# KiCad board ThunderKillV1.kicad_pcb
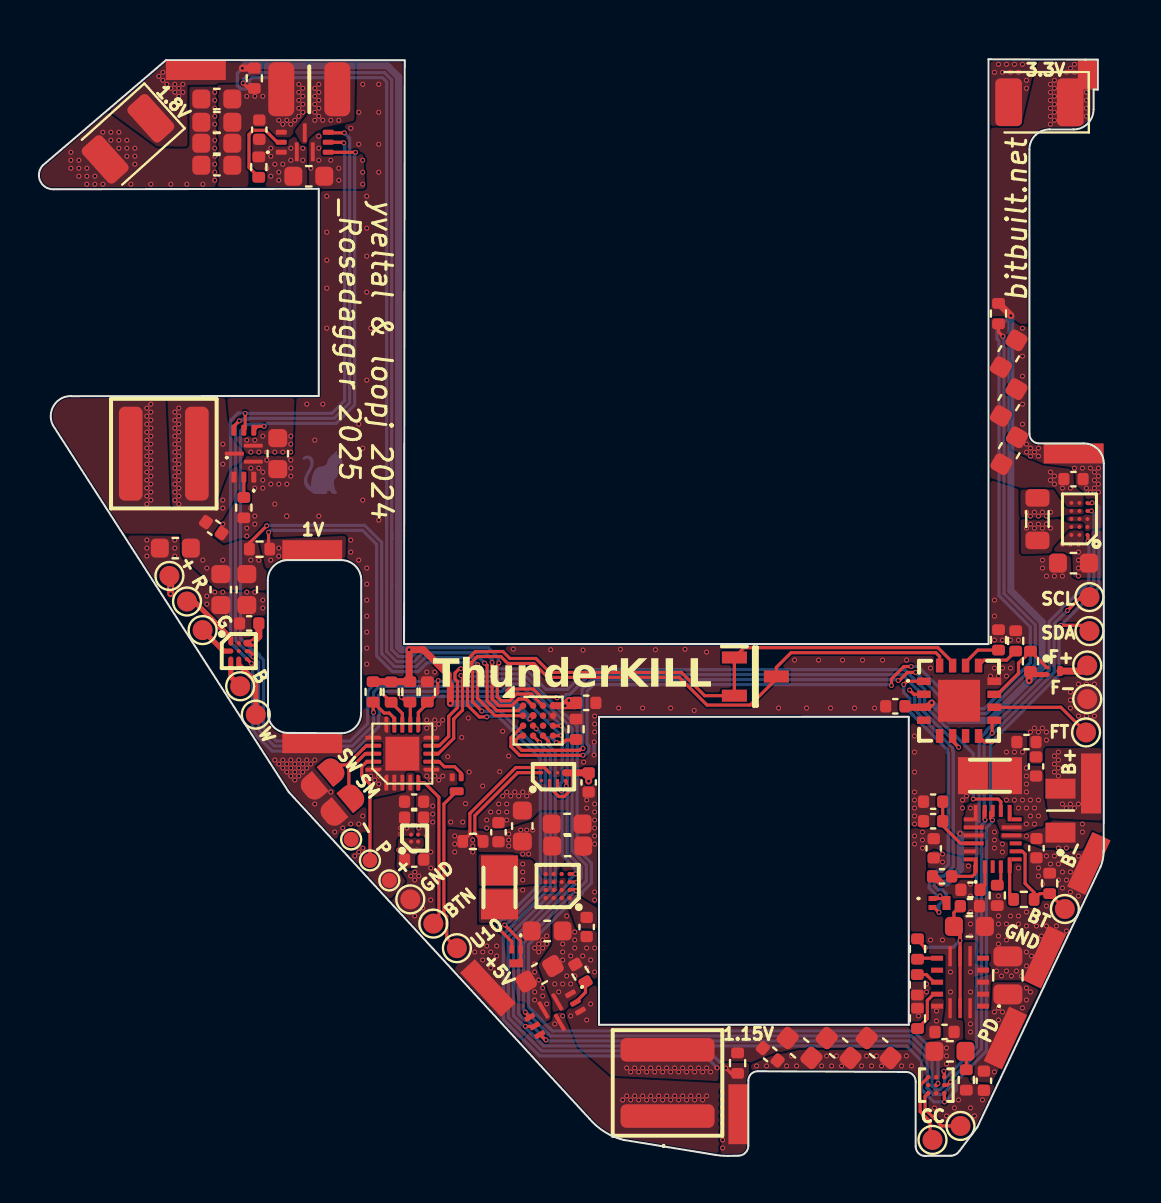
[diagram p0: board, top side]
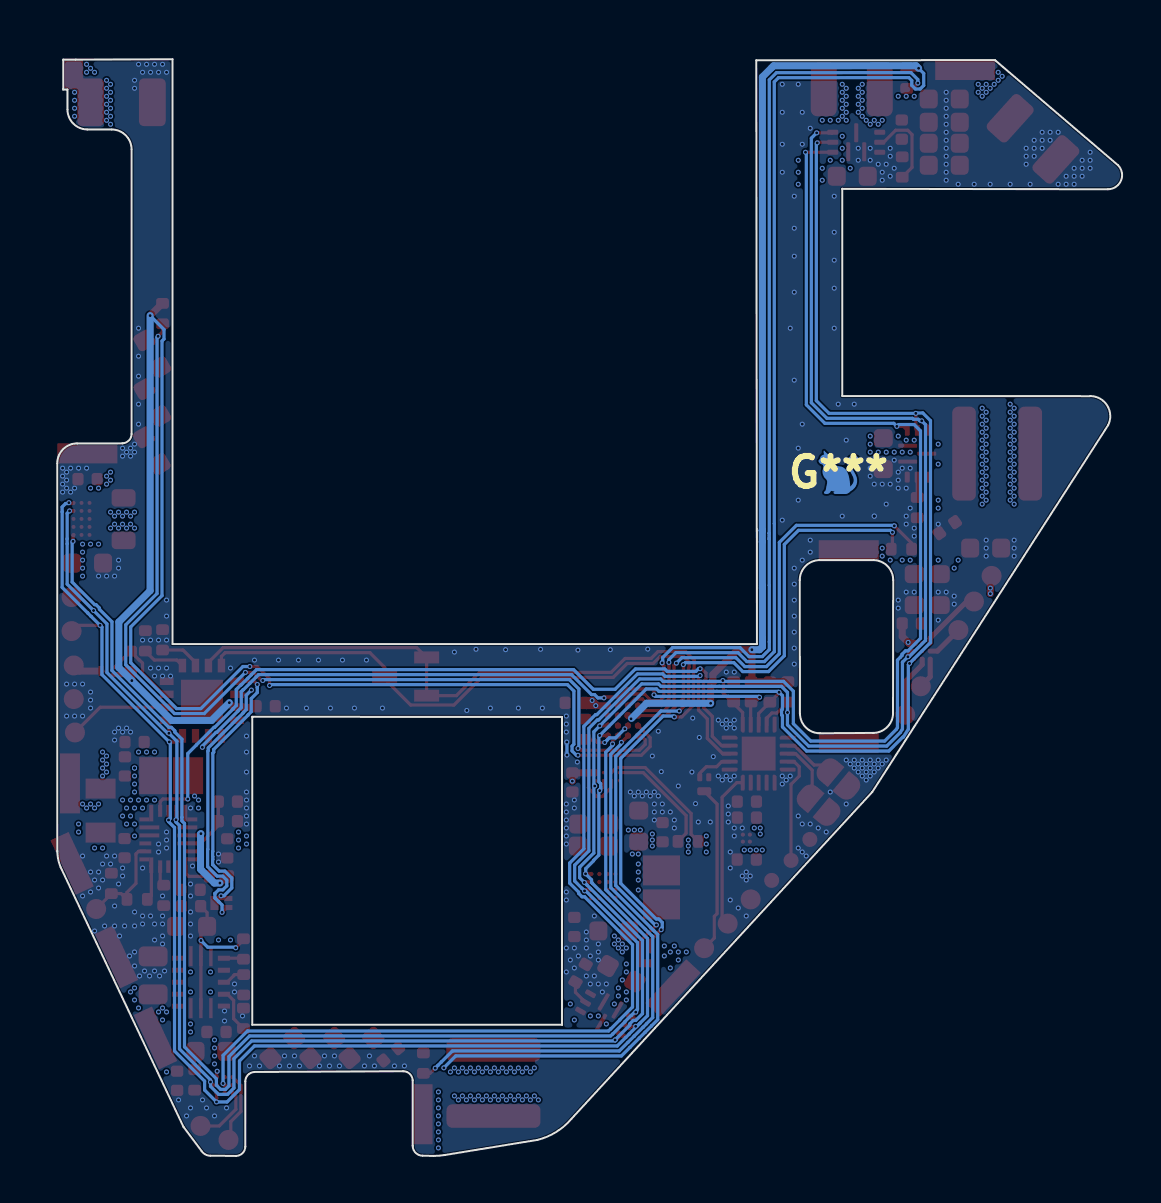
[diagram p1: board, bottom side, seen from below]

Outline 53.21 x 54.85 mm; copper layers: Top, In1.Cu, In2.Cu, Bottom. Coordinates in mm from the lower left corner of the outline.
Outline path: 1.54,38.01 arc(0.69,37.53) 0.64,36.55 12.44,18.2 27.49,1.85 arc(28.26,1.19) 29.19,0.8 ; 13.94,48.37 0.65,48.35 arc(0,48.79) 0.15,49.56 6.3,54.81 18.24,54.8 18.21,25.6 47.44,25.6 47.44,54.85 52.28,54.83 52.91,54.83 52.91,53.33 52.7,53.33 52.7,52.34 arc(52.41,51.63) 51.7,51.34 50.49,51.34 arc(49.78,51.05) 49.49,50.34 49.49,36.11 arc(49.63,35.79) 49.95,35.64 ; 1.54,38 13.94,38.01 13.94,48.38 ; 11.39,28.8 arc(11.68,29.5) 12.37,29.8 15.07,29.8 arc(15.78,29.51) 16.07,28.8 16.06,22.14 ; 11.39,28.8 11.4,22.15 ; 12.4,21.16 arc(11.69,21.45) 11.4,22.16 ; 12.39,21.16 15.06,21.14 arc(15.77,21.43) 16.06,22.14 ; 29.19,0.8 33.79,0.05 ; 33.8,0.05 arc(34.1,0.01) 34.39,0 34.93,0.01 arc(35.29,0.16) 35.43,0.51 35.43,3.78 ; 35.43,3.78 arc(35.58,4.1) 35.9,4.23 43.34,4.2 ; 43.35,4.2 arc(43.67,4.05) 43.8,3.73 43.8,0.47 arc(43.94,0.14) 44.26,0 ; 44.25,0 45.54,0.01 ; 45.55,0.01 arc(45.8,0.07) 45.99,0.25 46.89,1.45 53.04,14.45 arc(53.17,14.84) 53.21,15.24 ; 49.94,35.64 52.21,35.64 arc(52.92,35.35) 53.21,34.64 53.21,15.24 ; 27.96,21.96 43.46,21.96 43.46,6.56 27.96,6.56 27.96,21.96
Stack: Top 0.035mm / dielectric 0.1mm FR4 er 4.5 / In1.Cu 0.035mm / dielectric 0.24mm FR4 er 4.5 / In2.Cu 0.035mm / dielectric 0.1mm FR4 er 4.5 / Bottom 0.035mm

## Placement (name value [footprint] x y rotation side)
C1  22uF  [C_0603_1608Metric]  11.89 35.12 270 top
C2  0.1uF  [C_0402_1005Metric]  8.69 31.42 325 top
C3  22uF  [C_0603_1608Metric]  6.77 30.4 180 top
C4  22uF  [C_0603_1608Metric]  9.04 28.33 270 top
C5  150uF  [CP_EIA-3528-15_AVX-H#2]  4.4 50.87 222 top
C6  22uF  [C_0603_1608Metric]  10.34 28.33 270 top
C7  22uF  [C_0603_1608Metric]  24.99 9.11 30 top
C8  0.1uF  [C_0402_1005Metric]  36.53 5.08 320 top
C9  22uF  [C_0603_1608Metric]  41.95 5.4 320 top
C10  22uF  [C_0603_1608Metric]  37.99 5.4 320 top
C11  22uF  [C_0603_1608Metric]  39.95 5.4 320 top
C12  22uF  [C_0603_1608Metric]  48.46 40.12 60 top
C13  22uF  [C_0603_1608Metric]  48.46 37.68 60 top
C14  0.1uF  [C_0402_1005Metric]  51.69 33.85 0 top
C15  22uF  [C_0603_1608Metric]  51.69 29.65 180 top
C16  22uF  [C_0603_1608Metric]  13.44 49 180 top
C17  0.1uF  [C_0402_1005Metric]  10.97 51.33 270 top
C18  22uF  [C_0603_1608Metric]  8.84 51.7 180 top
C19  22uF  [C_0603_1608Metric]  8.84 52.86 180 top
C20  22uF  [C_0603_1608Metric]  8.84 50.65 180 top
C21  22uF  [C_0603_1608Metric]  8.84 49.55 180 top
C22  1uF  [C_0402_1005Metric]  18.72 14.82 0 top
C23  22uF  [C_0603_1608Metric]  48.48 35.27 60 top
C25  1uF  [C_0402_1005Metric]  18.71 16.92 0 top
C26  22u  [C_0603_1608Metric]  25.37 11.25 0 top
C27  10u  [C_0805_2012Metric]  48.41 9.03 90 top
C28  1u  [C_0402_1005Metric]  27.34 11.45 270 top
C29  0.1uF  [C_0402_1005Metric]  22.93 16.19 90 top
C30  22uF  [C_0603_1608Metric]  24.12 16.5 90 top
C31  47n  [C_0402_1005Metric]  45.12 13.98 0 top
C32  10u  [C_0402_1005Metric]  44.67 16.74 180 top
C33  0.1u  [C_0402_1005Metric]  44.67 17.72 180 top
C34  20u  [C_0402_1005Metric]  49.82 19.48 90 top
C35  4.7u  [C_0402_1005Metric]  46.54 13.31 180 top
C36  10u  [C_0402_1005Metric]  49.84 15.39 270 top
C37  1u  [C_0402_1005Metric]  44.7 15.38 90 top
C38  22uF  [C_0603_1608Metric]  26.37 16.6 0 top
C39  22uF  [C_0603_1608Metric]  26.39 15.5 0 top
C40  0.1u  [C_0402_1005Metric]  47.21 3.76 270 top
C41  0.1uF  [C_0402_1005Metric]  10.46 26.63 180 top
C42  4.7u  [C_0603_1608Metric]  46.49 11.48 0 top
C43  0.1u  [C_0402_1005Metric]  46.51 12.49 0 top
C44  1u  [C_0402_1005Metric]  45.24 6.2 180 top
C45  4.7u  [C_0603_1608Metric]  45.52 5.23 0 top
C46  0.1uF  [C_0402_1005Metric]  49.34 20.7 180 top
C47  0.1uF  [C_0402_1005Metric]  18.71 17.72 180 top
C48  0.1uF  [C_0402_1005Metric]  27.32 22.66 180 top
C49  0.1uF  [C_0402_1005Metric]  42.78 22.49 180 top
C50  0.1uF  [C_0402_1005Metric]  27.44 18.68 270 top
C189  150uF  [CP_EIA-3528-15_AVX-H]  49.99 52.7 180 top
F1  0805L400SLWR  [0805L075SLYR]  51.04 17.27 90 top
G***  -  [LOGO]  14.13 34.19 180 bottom
IC1  -  [BQ25622ERYKR]  47.65 15.86 90 top
IC2  EMC2103-2-AP-TR  [EMC21032APTR]  45.97 22.77 0 top
IC3  MAX20343BEWE+T  [BGA16C40P4X4_201X177X69]  25.89 13.5 180 top
IC4  LP5810AYBHR  [BGA9C40P3X3_143X134X40]  9.94 25.25 0 top
IC5  -  [LS2406ERQ23]  46.02 8.69 180 top
IC6  INA236AIYBJR  [BGA8C40P2X4_70X147X35]  25.68 18.97 90 top
JP1  SolderJumper_2_Open  [SolderJumper-2_P1.3mm_Open_RoundedPad1.0x1.5mm]  15.06 17.62 40 top
JP2  SolderJumper_2_Open  [SolderJumper-2_P1.3mm_Open_RoundedPad1.0x1.5mm]  14.07 18.93 40 top
L1  220nH  [XFL5015152MEC]  6.19 35.12 180 top
L2  220nH  [XFL5015152MEC]  31.39 3.65 90 top
L3  220nH  [INDC3225X120N]  13.47 53.35 180 top
L4  470nH  [L_0805_2012Metric]  49.89 31.85 90 top
L5  MEKK2016H1R0M  [INDPM2016X100N]  22.98 13.43 90 top
L6  MEKK2016H1R0M  [INDPM2016X100N]  47.51 19.02 0 top
Q1  NX7002BKMYL  [Diodes_DFN1006-3]  20.84 18.59 270 top
Q2  -  [BC856BMBYL]  44.99 12.65 0 top
Q3  PNP  [SOT96P237X111-3N]  35.78 23.97 0 top
Q4  CSD23382F4  [YJC]  50.69 24.25 270 top
Q5  -  [BC856BMBYL]  23.82 9.98 270 top
R1  133k  [R_0402_1005Metric]  10.19 32.42 270 top
R2  249k  [R_0402_1005Metric]  27.03 9.14 120 top
R3  86.6k  [R_0402_1005Metric]  10.94 49.46 90 top
R4  4.7k  [R_0402_1005Metric]  17.56 23.2 270 top
R5  4.7k  [R_0402_1005Metric]  16.66 23.21 270 top
R7  133k  [R_0402_1005Metric]  19.37 23.21 270 top
R8  21.5k  [R_0402_1005Metric]  26.81 21.34 90 top
R9  4.7k  [R_0402_1005Metric]  49.54 24.74 270 top
R10  700  [R_0402_1005Metric]  47.88 13.03 270 top
R11  4.6k  [R_0402_1005Metric]  43.88 8.56 270 top
R12  5.23k  [R_0402_1005Metric]  49.21 12.83 0 top
R13  4.7k  [R_0402_1005Metric]  18.5 23.21 90 top
R14  30.1k  [R_0402_1005Metric]  50.5 13.63 90 top
R15  49.9k  [R_0402_1005Metric]  47.94 25.81 90 top
R16  ERJ-2LWFR010X  [R_0402_1005Metric]  10.98 30.35 0 top
R17  6.8k  [R_0402_1005Metric]  48.8 25.76 90 top
R18  183.3k  [R_0402_1005Metric]  43.89 6.88 90 top
R19  3.6  [R_0402_1005Metric]  46.33 3.8 270 top
R20  100k  [R_0402_1005Metric]  43.89 10.35 90 top
R32  ERJ-2LWFR010X  [R_0402_1005Metric]  34.89 4.64 270 top
R33  ERJ-2LWFR010X  [R_0402_1005Metric]  10.72 53.9 90 top
R34  ERJ-2LWFR010X  [R_0402_1005Metric]  47.94 42.13 90 top
R35  ERJ-2LWFR010X  [R_0402_1005Metric]  21.65 15.73 180 top
TP1  3V3  [TestPoint_Pad_1.5x1.0mm]  52.41 54.09 90 top
TP2  1V8  [TestPoint_Pad_3x1.0mm]  7.79 54.32 0 top
TP3  1V15  [TestPoint_Pad_3x1.0mm]  34.93 2.09 90 top
TP4  1V0  [TestPoint_Pad_3x1.0mm]  13.62 30.3 0 top
TP5  GND  [TestPoint_Pad_3x1.0mm]  51.7 35.13 0 top
TP6  U10  [TestPoint_Pad_D1.0mm]  20.85 10.39 0 top
TP7  GND  [TestPoint_Pad_3x1.0mm]  13.62 20.64 0 top
TP8  SDA  [TestPoint_Pad_D1.0mm]  52.49 26.25 0 top
TP9  SCL  [TestPoint_Pad_D1.0mm]  52.49 27.95 0 top
TP10  VBAT  [TestPoint_Pad_D1.0mm#2]  17.47 13.78 0 top
TP11  GND  [TestPoint_Pad_D1.0mm#2]  15.56 15.83 90 top
TP12  UPDI  [TestPoint_Pad_D1.0mm#2]  16.5 14.78 0 top
TP13  CC2  [TestPoint_Pad_D1.0mm]  44.64 0.8 0 top
TP14  VBUS  [TestPoint_Pad_3x1.0mm]  48.29 5.9 245 top
TP15  LED -B  [TestPoint_Pad_D1.0mm]  10.01 23.49 0 top
TP16  CC1  [TestPoint_Pad_D1.0mm]  46.04 1.5 0 top
TP17  LED -W  [TestPoint_Pad_D1.0mm]  10.79 22.07 0 top
TP18  LED -R  [TestPoint_Pad_D1.0mm]  7.35 27.73 0 top
TP19  LED -G  [TestPoint_Pad_D1.0mm]  8.13 26.3 0 top
TP20  FAN+  [TestPoint_Pad_D1.0mm]  52.38 24.53 0 top
TP21  FAN_TACH  [TestPoint_Pad_D1.0mm]  52.32 21.18 0 top
TP22  FAN-  [TestPoint_Pad_D1.0mm]  52.38 22.85 0 top
TP23  BAT_TMP  [TestPoint_Pad_D1.0mm]  51.26 12.35 0 top
TP24  BAT+  [TestPoint_Pad_3x1.0mm]  52.57 18.63 90 top
TP25  BAT-  [TestPoint_Pad_3x1.0mm]  52.46 14.63 245 top
TP26  5V  [TestPoint_Pad_3x1.0mm]  22.4 8.4 133 top
TP27  LED +  [TestPoint_Pad_D1.0mm]  6.47 29.01 0 top
TP28  GND  [TestPoint_Pad_3x1.0mm]  50.24 9.95 245 top
TP30  U10  [TestPoint_Pad_D1.0mm]  19.67 11.62 0 top
TP31  U10  [TestPoint_Pad_D1.0mm]  18.52 12.83 0 top
U1  TPS628681ARQYR  [TPS628680ARQYR]  10.19 35.12 180 top
U2  TPS628681ARQYR  [TPS628680ARQYR]  25.77 7.09 300 top
U3  TPS628682ARQYR  [TPS628680ARQYR]  13.24 50.7 90 top
U4  TPS63810YFFR  [BGA15C40P3X5_134X226X62]  51.99 31.86 180 top
U5  ATTINY1616-MNR  [VQFN-20-1EP_3x3mm_P0.4mm_EP1.7x1.7mm]  18.12 20.12 90 top
U6  LP5907UVX-1.8_NOPB  [BGA4C35P2X2_64X64X44]  18.74 15.89 90 top
U8  PAC1934x-xJ6CX  [WLCSP-16_2.225x2.17mm_Layout4x4_P0.5mm]  24.91 21.77 0 top
U9  RT1715WSC  [BGA3X3_RT1715WSC_RIT]  44.83 3.54 0 top

## Library data of the parts
C1-C4 C6-C23 C25-C30 C38-C50 = -: Description: Unpolarized capacitor, small symbol; ki_fp_filters: C_*
C5 C189 = -: Description: 6TPS150MUD; ki_fp_filters: CP_*
C31-C37 = -: Description: Unpolarized capacitor; ki_fp_filters: C_*
F1 = -: Datasheet: https://m.littelfuse.com/~/media/electronics/datasheets/resettable_ptcs/littelfuse_ptc_lorho_datasheet.pdf.pdf; Description: Low Rho Surface Mount Resettable PTC Fuse; Height: 0.75; Mouser Part Number: 576-0805L400SLWR; Mouser Price/Stock: https://www.mouser.co.uk/ProductDetail/Littelfuse/0805L400SLWR?qs=7MVldsJ5UawTxyzZP%2FZ31g%3D%3D; Manufacturer_Name: LITTELFUSE
IC1 = -: Datasheet: https://www.ti.com/lit/ds/symlink/bq25622e.pdf?HQS=dis-mous-null-mousermode-dsf-pf-null-wwe; Description: Battery Management IC controlled one-cell 3-A buck battery charger with up to 18-V input, current limit, and ADC; Height: 0.8; Mouser Part Number: 595-BQ25622ERYKR; Mouser Price/Stock: https://www.mouser.co.uk/ProductDetail/Texas-Instruments/BQ25622ERYKR?qs=1Kr7Jg1SGW%2FNPi02DrLnNQ%3D%3D; Manufacturer_Name: Texas Instruments
IC2 = -: Datasheet: https://www.arrow.com/en/products/emc2103-2-ap-tr/microchip-technology; Description: Microchip EMC2103-2-AP-TR, Fan Controller IC; Height: 0.9; Mouser Part Number: 886-EMC2103-2-AP-TR; Mouser Price/Stock: https://www.mouser.co.uk/ProductDetail/Microchip-Technology/EMC2103-2-AP-TR?qs=pA5MXup5wxEcWlulhvXLOA%3D%3D; Manufacturer_Name: Microchip
IC3 = -: Datasheet: https://www.analog.com/MAX20343/datasheet; Description: Ultra-Low Quiescent Current, Low Noise 3.5W Buck-Boost Regulator; Height: 0.69; Mouser Part Number: 700-MAX20343BEWE+T; Mouser Price/Stock: https://www.mouser.co.uk/ProductDetail/Maxim-Integrated/MAX20343BEWE%2bT/?qs=Cb2nCFKsA8qXa9vho7Hf%252Bw%3D%3D; Manufacturer_Name: Analog Devices
IC4 = -: Datasheet: https://www.digikey.ph/en/products/detail/texas-instruments/LP5810AYBHR/22147165?msockid=39f1ec84d77b6f4428b7f904d6676eed; Description: Operating voltage range:  VCC range: 2.7V to 5.5V  Logic pins compatible with 1.8V, 3.3V, and 5V  4 constant current sinks with high precision:  0.1mA to 51mA per current sink  Device-to-device error: max +/-5%  Channel-to-channel error: max +/-5%  Ultra-low headroom voltage: 110mV (typ.) at 25.5mA; 210mV (typ.) at 51mA  PWM phase shift configurable for each LED  Ultra-low power consumption:  Standby: ISTB = 26uA (typical) when CHIP_EN = 0 (data retained)  Active: INOR = 0.4mA (typical; Height: 0.4; Mouser Part Number: 595-LP5810AYBHR; Mouser Price/Stock: https://www.mouser.co.uk/ProductDetail/Texas-Instruments/LP5810AYBHR?qs=Z%252BL2brAPG1IT2jOLeBjb3w%3D%3D; Manufacturer_Name: Texas Instruments
IC5 = -: Datasheet: https://www.littelfuse.com/media?resourcetype=datasheets&itemid=9243fffc-f882-4c2c-9691-22b03ef6767c&filename=littelfuse-over-voltage-protection--ls2406erq23-datasheet; Description: Power Switch ICs - Power Distribution 28V/6A efuse with True RCB & FRS; Height: 0.85; Mouser Part Number: 576-LS2406ERQ23; Mouser Price/Stock: https://www.mouser.co.uk/ProductDetail/Littelfuse/LS2406ERQ23?qs=4ASt3YYao0UtfViT2DwMgw%3D%3D; Manufacturer_Name: LITTELFUSE
IC6 = -: Datasheet: https://www.ti.com/lit/gpn/ina236; Description: Current & Power Monitors & Regulators 48-V, 16-bit, ultraprecise, I C output current/voltage/power monitor with alert in WCSP; Height: 0.35; Mouser Part Number: 595-INA236AIYBJR; Mouser Price/Stock: https://www.mouser.co.uk/ProductDetail/Texas-Instruments/INA236AIYBJR?qs=A6eO%252BMLsxmSaxk4IMBhEtQ%3D%3D; Manufacturer_Name: Texas Instruments
JP1 JP2 = -: Description: Solder Jumper, 2-pole, open; ki_fp_filters: SolderJumper*Open*
L1 L2 = -: Description: XFL5015-221MEC; ki_fp_filters: Choke_* *Coil* Inductor_* L_*
L3 = -: Description: TFM322512ALMAR22MTAA; ki_fp_filters: Choke_* *Coil* Inductor_* L_*
L4 = -: Description: TFM201208BLE-R47MTCF; ki_fp_filters: Choke_* *Coil* Inductor_* L_*
L5 L6 = -: Datasheet: https://ms.componentsearchengine.com/Datasheets/2/MEKK2016H1R0M.pdf; Description: TAIYO YUDEN - MEKK2016H1R0M - INDUCTOR,METAL WIRE-WOUND 10AH7849; Height: 1; Mouser Part Number: 963-MEKK2016H1R0M; Mouser Price/Stock: https://www.mouser.co.uk/ProductDetail/Taiyo-Yuden/MEKK2016H1R0M?qs=EBDBlbfErPxIEht64hlXPA%3D%3D; Manufacturer_Name: TAIYO YUDEN
Q1 = -: ki_fp_filters: SOT?23*
Q2 Q5 = -: Datasheet: https://assets.nexperia.com/documents/data-sheet/BC856BMB.pdf; Description: PNP general-purpose transistor in a leadless ultra small DFN1006B-3 (SOT883B) Surface-Mounted Device (SMD) plastic package.; Height: 0.4; Mouser Part Number: 771-BC856BMBYL; Mouser Price/Stock: https://www.mouser.co.uk/ProductDetail/Nexperia/BC856BMBYL?qs=sPdA%252BpIfi%2F%2F9sA2ET9jgvg%3D%3D; Manufacturer_Name: Nexperia
Q3 = -: Datasheet: https://ngspice.sourceforge.io/docs/ngspice-html-manual/manual.xhtml#cha_BJTs; Description: Bipolar transistor symbol for simulation only, substrate tied to the emitter; Sim.Type: GUMMELPOON; Sim.Pins: 1=C 2=B 3=E
Q4 = -: Datasheet: http://www.ti.com/lit/gpn/csd23382f4; Description: -12V, P ch NexFET MOSFET, single LGA 0.6x1.0, 76mOhm; Mouser Part Number: 595-CSD23382F4; Mouser Price/Stock: https://www.mouser.co.uk/ProductDetail/Texas-Instruments/CSD23382F4?qs=7z%252BmIopC6%2FJCYBJJoFaXHg%3D%3D; Manufacturer_Name: Texas Instruments
R1-R5 R7-R9 R11 R13 R15 R17-R20 = -: Description: Resistor, small symbol; ki_fp_filters: R_*
R10 R12 R14 = -: Description: Resistor; ki_fp_filters: R_*
R16 R32-R35 = -: Datasheet: http://industrial.panasonic.com/cdbs/www-data/pdf/RDN0000/AOA0000C313.pdf; Description: Current Sense Resistors - SMD 0402 10mOhms 1% Curr Sens AEC-Q200; Mouser Part Number: 667-ERJ-2LWFR010X; Mouser Price/Stock: https://www.mouser.co.uk/ProductDetail/Panasonic/ERJ-2LWFR010X?qs=WO7YBshssFHQwGLNvPfIYA%3D%3D; Manufacturer_Name: Panasonic
TP1-TP28 TP30 TP31 = -: ki_fp_filters: Pin* Test*
U1-U3 = -: Datasheet: https://www.ti.com/lit/ds/symlink/tps62869.pdf?ts=1693561656644&ref_url=https%253A%252F%252Fwww.ti.com.cn%252Fproduct%252Fcn%252FTPS62869; Description: Switching Voltage Regulators 5.5-V 4-A synchronous step-down converter with I C interface in 1.5-mm x 2.5-mm QFN package; Height: 1; Mouser Part Number: 595-TPS628680ARQYR; Mouser Price/Stock: https://www.mouser.co.uk/ProductDetail/Texas-Instruments/TPS628680ARQYR?qs=pBJMDPsKWf1s%252B20VfPJaBg%3D%3D; Manufacturer_Name: Texas Instruments; Manufacturer_Part_Number: TPS628680ARQYR
U4 = -: Datasheet: http://www.ti.com/lit/ds/symlink/tps63810.pdf; Description: Switching Voltage Regulators 2.5-A high-efficient buck-boost converter with interface for dynamic voltage scaling 15-DSBGA -40 to 85; Height: 0.625; Mouser Part Number: 595-TPS63810YFFR; Mouser Price/Stock: https://www.mouser.co.uk/ProductDetail/Texas-Instruments/TPS63810YFFR?qs=B6kkDfuK7%2FBxO%252BN9P7Asyw%3D%3D; Manufacturer_Name: Texas Instruments
U5 = -: Datasheet: http://ww1.microchip.com/downloads/en/DeviceDoc/ATtiny3216_ATtiny1616-data-sheet-40001997B.pdf; Description: 20MHz, 16kB Flash, 2kB SRAM, 256B EEPROM, VQFN-20; ki_fp_filters: VQFN*1EP*3x3mm*P0.4mm*
U6 = -: Datasheet: http://www.ti.com/lit/gpn/lp5907; Description: 250-mA ultra-low-noise low-IQ low-dropout (LDO) linear regulator; Height: 0.445; Mouser Part Number: 926-LP5907UVX1.8NOPB; Mouser Price/Stock: https://www.mouser.co.uk/ProductDetail/Texas-Instruments/LP5907UVX-18-NOPB?qs=vobMBmnAsJHTbQ1C9505Xg%3D%3D; Manufacturer_Name: Texas Instruments; Manufacturer_Part_Number: LP5907UVX-1.8/NOPB
U8 = -: Datasheet: https://ww1.microchip.com/downloads/en/DeviceDoc/PAC1931-Family-Data-Sheet-DS20005850E.pdf; Description: Four Channel High-side Power Monitor, 32V, I2C, WLCSP-16; ki_fp_filters: WLCSP*2.225x2.17mm*Layout4x4*P0.5mm*
U9 = -: ki_fp_filters: BGA3X3_RT1715WSC_RIT BGA3X3_RT1715WSC_RIT-M BGA3X3_RT1715WSC_RIT-L

## Footprints (pads in the part's own frame, mm; a bottom-side part is the same pattern mirrored in y, then rotated)
0805L075SLYR
  rect 1x1.5 smd: 1(-1.1,0) 2(1.1,0)
BC856BMBYL
  rect 0.4x0.25 smd: 1(-0.35,0.225) 2(-0.35,-0.225)
  rect 0.4x0.7 smd: 3(0.35,0)
BGA3X3_RT1715WSC_RIT
  round 0.229 smd: A1(-0.4,0.4) A2(0,0.4) A3(0.4,0.4) B1(-0.4,0) B2(0,0) B3(0.4,0) C1(-0.4,-0.4) C2(0,-0.4) C3(0.4,-0.4)
BGA4C35P2X2_64X64X44
  round 0.208 smd: A1(-0.175,0.175) A2(0.175,0.175) B1(-0.175,-0.175) B2(0.175,-0.175)
BGA8C40P2X4_70X147X35
  round 0.173 smd: A1(-0.2,0.6) A2(0.2,0.6) B1(-0.2,0.2) B2(0.2,0.2) C1(-0.2,-0.2) C2(0.2,-0.2) D1(-0.2,-0.6) D2(0.2,-0.6)
BGA9C40P3X3_143X134X40
  round 0.204 smd: A1(-0.4,0.4) A2(0,0.4) A3(0.4,0.4) B1(-0.4,0) B2(0,0) B3(0.4,0) C1(-0.4,-0.4) C2(0,-0.4) C3(0.4,-0.4)
BGA15C40P3X5_134X226X62
  round 0.2 smd: A1(-0.4,0.8) A2(0,0.8) A3(0.4,0.8) B1(-0.4,0.4) B2(0,0.4) B3(0.4,0.4) C1(-0.4,0) C2(0,0) C3(0.4,0) D1(-0.4,-0.4) D2(0,-0.4) D3(0.4,-0.4) E1(-0.4,-0.8) E2(0,-0.8) E3(0.4,-0.8)
BGA16C40P4X4_201X177X69
  round 0.216 smd: A1(-0.6,0.6) A2(-0.2,0.6) A3(0.2,0.6) A4(0.6,0.6) B1(-0.6,0.2) B2(-0.2,0.2) B3(0.2,0.2) B4(0.6,0.2) C1(-0.6,-0.2) C2(-0.2,-0.2) C3(0.2,-0.2) C4(0.6,-0.2) D1(-0.6,-0.6) D2(-0.2,-0.6) D3(0.2,-0.6) D4(0.6,-0.6)
BQ25622ERYKR
  rect 0.775x0.2 smd: 1(-1.313,0.85) 5(-1.313,-0.85)
  rect 0.625x0.2 smd: 2(-1.388,0.393) 3(-1.388,0) 4(-1.388,-0.407)
  rect 0.2x0.6 smd: 6(-0.625,-1.15) 7(-0.225,-1.15) 18(-0.625,1.141)
  rect 0.2x1 smd: 8(0.175,-0.95) 9(0.575,-0.95) 15(0.575,0.95) 16(0.175,0.95) 17(-0.225,0.95)
  rect 0.825x0.2 smd: 10(1.288,-0.85) 14(1.288,0.85)
  rect 0.6x0.2 smd: 11(1.4,-0.407) 12(1.4,0) 13(1.4,0.393)
  rect 0.2x0.5 smd: 19(-1.025,1.2) 20(-1.025,-1.2) 21(0.975,-1.2) 22(0.975,1.2)
C_0402_1005Metric
  rrect 0.56x0.62 smd: 1(-0.48,0) 2(0.48,0)
C_0603_1608Metric
  rrect 0.9x0.95 smd: 1(-0.775,0) 2(0.775,0)
C_0805_2012Metric
  rrect 1x1.45 smd: 1(-0.95,0) 2(0.95,0)
CP_EIA-3528-15_AVX-H
  rrect 1.34x2.39 smd: 1(-1.54,0) 2(1.54,0)
CP_EIA-3528-15_AVX-H#2
  rrect 1.325x2.35 smd: 1(-1.538,0) 2(1.538,0)
Diodes_DFN1006-3
  rrect 0.4x0.25 smd: 1(-0.35,0.225) 2(-0.35,-0.225)
  rrect 0.4x0.7 smd: 3(0.35,0)
EMC21032APTR
  rect 0.69x0.37 smd: 1(-1.76,0.975) 2(-1.76,0.325) 3(-1.76,-0.325) 4(-1.76,-0.975) 9(1.76,-0.975) 10(1.76,-0.325) 11(1.76,0.325) 12(1.76,0.975)
  rect 0.37x0.69 smd: 5(-0.975,-1.76) 6(-0.325,-1.76) 7(0.325,-1.76) 8(0.975,-1.76) 13(0.975,1.76) 14(0.325,1.76) 15(-0.325,1.76) 16(-0.975,1.76)
  rect 2.1x2.1 smd: 17(0,0)
INDC3225X120N
  rrect 1.3x2.7 smd: 1(-1.4,0) 2(1.4,0)
INDPM2016X100N
  rect 1.5x1.85 smd: 1(-0.85,0) 2(0.85,0)
L_0805_2012Metric
  rrect 0.875x1.2 smd: 1(-1.062,0) 2(1.062,0)
LS2406ERQ23
  rect 0.6x0.25 smd: 1(-1.15,1.2) 2(-1.15,0.6) 3(-1.15,0) 4(-1.15,-0.6) 5(-1.15,-1.2) 9(1.15,-1.2) 10(1.15,-0.6) 11(1.15,0) 12(1.15,0.6) 13(1.15,1.2)
  rect 0.175x1 smd: 6(-0.5,-1.3) 7(0,-1.3) 8(0.5,-1.3) 14(0.5,1.3) 15(0,1.3) 16(-0.5,1.3)
R_0402_1005Metric
  rrect 0.54x0.64 smd: 1(-0.51,0) 2(0.51,0)
SolderJumper-2_P1.3mm_Open_RoundedPad1.0x1.5mm
  custom 1x1.3 smd: 1(-0.65,-0.1) 2(0.65,-0.1)
SOT96P237X111-3N
  rect 1.25x0.6 smd: 1(-1.05,0.955) 2(-1.05,-0.955) 3(1.05,0)
TestPoint_Pad_1.5x1.0mm
  rect 1.5x1 smd: 1(0,0)
TestPoint_Pad_3x1.0mm
  rect 3x1 smd: 1(0,0)
TestPoint_Pad_D1.0mm
  round 1 smd: 1(0,0)
TestPoint_Pad_D1.0mm#2
  round 0.75 smd: 1(0,0)
TPS628680ARQYR
  rrect 0.25x0.55 smd: 1(-0.5,1.175) 4(-0.5,-1.175) 5(0,-1.175) 6(0.5,-1.175) 8(0.5,1.175) 9(0,1.175)
  rrect 0.95x0.2 smd: 2(-0.475,0.4) 3(-0.475,-0.4) 7(0.475,0)
VQFN-20-1EP_3x3mm_P0.4mm_EP1.7x1.7mm
  rrect 0.69x0.69 smd: (-0.425,0.425) (-0.425,-0.425) (0.425,0.425) (0.425,-0.425)
  custom 0.8x0.2 smd: 1(-1.45,0.8) 5(-1.45,-0.8) 11(1.45,-0.8) 15(1.45,0.8)
  rrect 0.8x0.2 smd: 2(-1.45,0.4) 3(-1.45,0) 4(-1.45,-0.4) 12(1.45,-0.4) 13(1.45,0) 14(1.45,0.4)
  custom 0.2x0.8 smd: 6(-0.8,-1.45) 10(0.8,-1.45) 16(0.8,1.45) 20(-0.8,1.45)
  rrect 0.2x0.8 smd: 7(-0.4,-1.45) 8(0,-1.45) 9(0.4,-1.45) 17(0.4,1.45) 18(0,1.45) 19(-0.4,1.45)
  rect 1.7x1.7 smd: 21(0,0)
WLCSP-16_2.225x2.17mm_Layout4x4_P0.5mm
  round 0.327 smd: A1(-0.75,0.75) A2(-0.25,0.75) A3(0.25,0.75) A4(0.75,0.75) B1(-0.75,0.25) B2(-0.25,0.25) B3(0.25,0.25) B4(0.75,0.25) C1(-0.75,-0.25) C2(-0.25,-0.25) C3(0.25,-0.25) C4(0.75,-0.25) D1(-0.75,-0.75) D2(-0.25,-0.75) D3(0.25,-0.75) D4(0.75,-0.75)
XFL5015152MEC
  rrect 1.18x4.7 smd: 1(-1.655,0) 2(1.655,0)
YJC
  rect 0.15x0.25 smd: 1(-0.175,-0.325) 2(0.175,-0.325)
  rect 0.5x0.25 smd: 3(0,0.325)
